# KiCad board xt_pcb.kicad_pcb
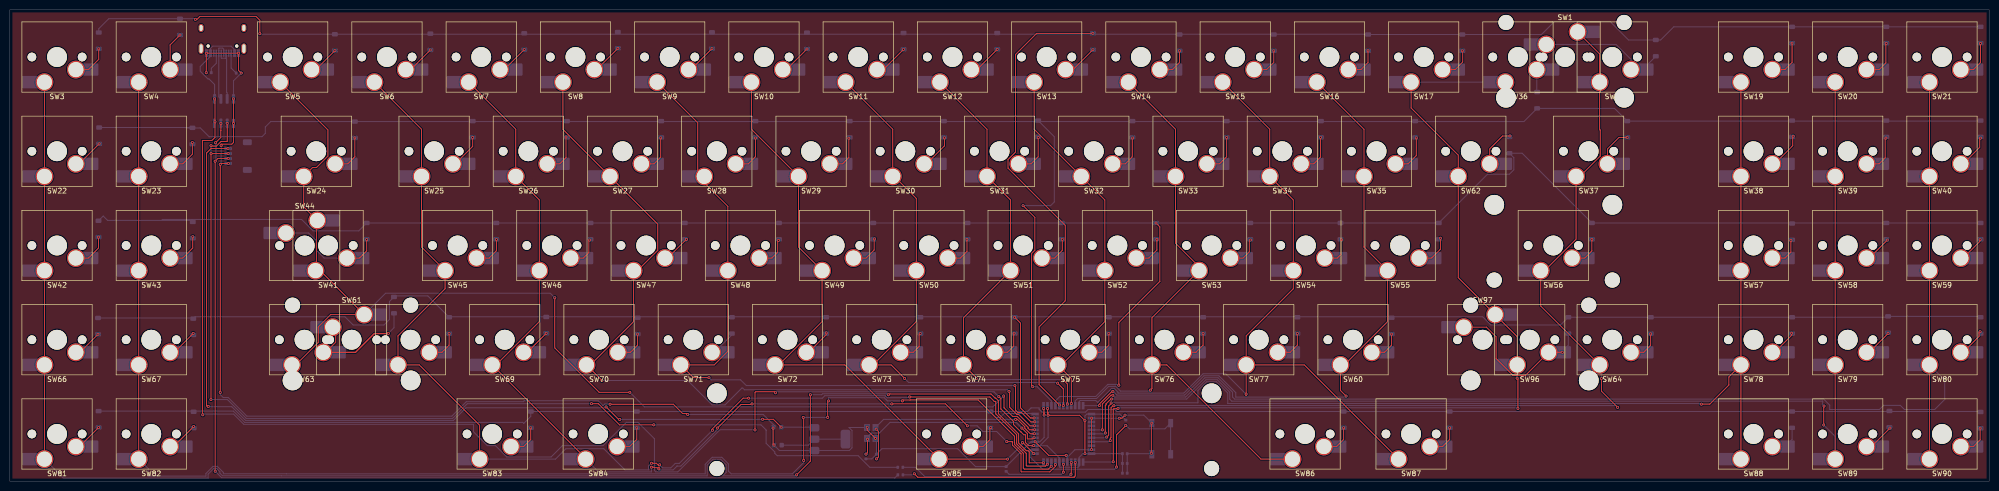
[diagram p0: board, top side]
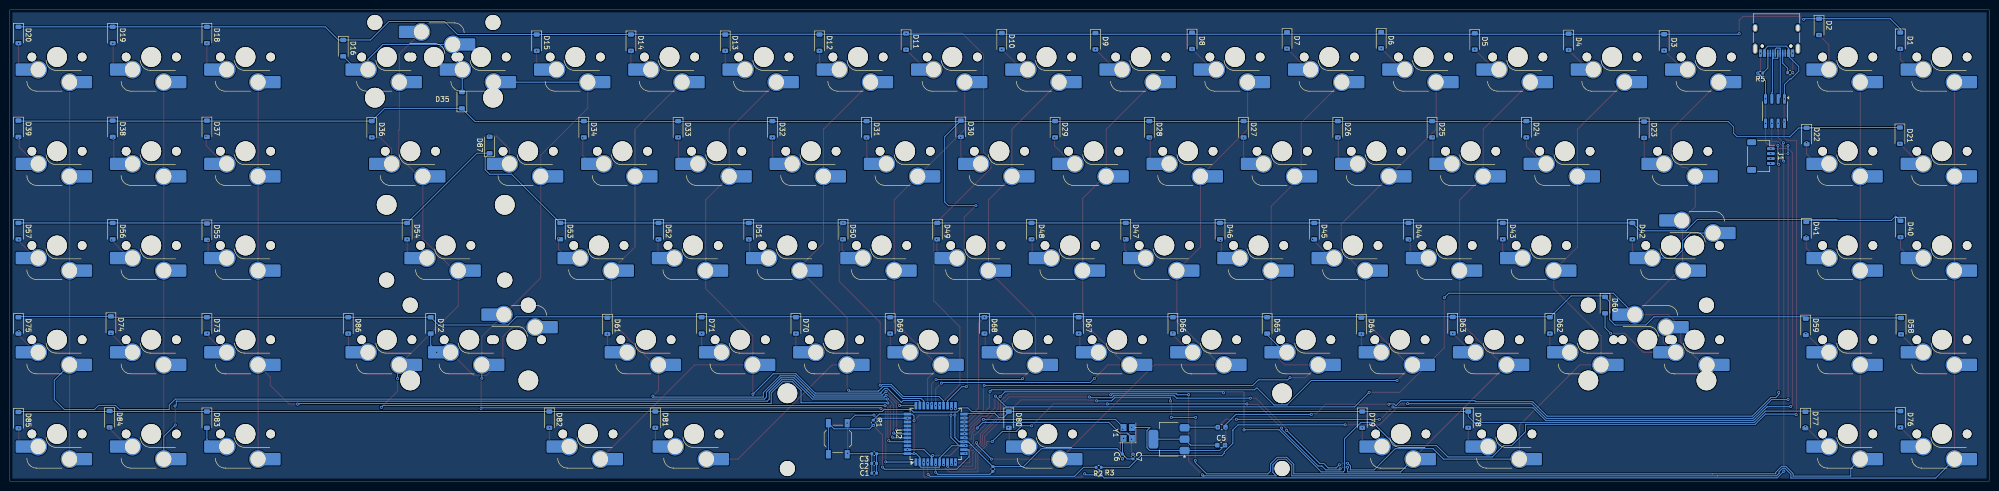
[diagram p1: board, bottom side, seen from below]

Outline 400.05 x 95.25 mm; copper layers: Top, Bottom. Coordinates in mm from the lower left corner of the outline.
Outline path: 0,95.25 400.05,95.25 400.05,0 0,0 0,95.25

## Placement (name value [footprint] x y rotation side)
BT1  SW_Push  [SW_SPST_TL3342]  232.71 8.57 270 bottom
C1  100n  [C_0402_1005Metric]  225.36 1.6 0 bottom
C2  100n  [C_0402_1005Metric]  225.36 3.57 0 bottom
C3  100n  [C_0402_1005Metric]  225.36 5.54 0 bottom
C4  10u  [C_0603_1608Metric]  155.12 10.9 180 bottom
C5  10u  [C_0603_1608Metric]  155.22 7.27 180 bottom
C6  12p  [C_0402_1005Metric]  175.16 4.97 90 bottom
C7  12p  [C_0402_1005Metric]  173.03 4.97 270 bottom
C8  1u  [C_0402_1005Metric]  201.37 2.45 90 bottom
D1  D  [D_SOD-123]  17.96 89.03 270 bottom
D2  D  [D_SOD-123]  34.38 91.82 270 bottom
D3  D  [D_SOD-123]  65.69 88.68 270 bottom
D4  D  [D_SOD-123]  84.98 88.8 270 bottom
D5  D  [D_SOD-123]  103.96 88.88 270 bottom
D6  D  [D_SOD-123]  122.88 89.12 270 bottom
D7  D  [D_SOD-123]  141.91 89.08 270 bottom
D8  D  [D_SOD-123]  161.11 89 270 bottom
D9  D  [D_SOD-123]  180.63 88.93 270 bottom
D10  D  [D_SOD-123]  199.56 88.93 270 bottom
D11  D  [D_SOD-123]  218.91 88.85 270 bottom
D12  D  [D_SOD-123]  236.42 88.62 270 bottom
D13  D  [D_SOD-123]  255.46 88.62 270 bottom
D14  D  [D_SOD-123]  274.51 88.62 270 bottom
D15  D  [D_SOD-123]  293.56 88.62 270 bottom
D16  D  [D_SOD-123]  332.68 87.52 270 bottom
D18  D  [D_SOD-123]  360.23 90.18 270 bottom
D19  D  [D_SOD-123]  379.27 90.18 270 bottom
D20  D  [D_SOD-123]  398.32 90.18 270 bottom
D21  D  [D_SOD-123]  18.03 69.83 270 bottom
D22  D  [D_SOD-123]  36.89 69.77 270 bottom
D23  D  [D_SOD-123]  69.73 71.03 270 bottom
D24  D  [D_SOD-123]  93.54 71.12 270 bottom
D25  D  [D_SOD-123]  112.59 71.12 270 bottom
D26  D  [D_SOD-123]  131.64 71.12 270 bottom
D27  D  [D_SOD-123]  150.69 71.12 270 bottom
D28  D  [D_SOD-123]  169.74 71.12 270 bottom
D29  D  [D_SOD-123]  188.79 71.12 270 bottom
D30  D  [D_SOD-123]  207.84 71.23 270 bottom
D31  D  [D_SOD-123]  226.89 71.12 270 bottom
D32  D  [D_SOD-123]  245.94 71.12 270 bottom
D33  D  [D_SOD-123]  264.99 71.12 270 bottom
D34  D  [D_SOD-123]  284.04 71.12 270 bottom
D35  D  [D_SOD-123]  308.69 77 90 bottom
D36  D  [D_SOD-123]  326.9 71.12 270 bottom
D37  D  [D_SOD-123]  360.23 71.23 270 bottom
D38  D  [D_SOD-123]  379.27 71.23 270 bottom
D39  D  [D_SOD-123]  398.32 71.23 270 bottom
D40  D  [D_SOD-123]  17.91 50.98 270 bottom
D41  D  [D_SOD-123]  36.96 50.74 270 bottom
D42  D  [D_SOD-123]  72.11 50.53 270 bottom
D43  D  [D_SOD-123]  98.3 50.53 270 bottom
D44  D  [D_SOD-123]  117.35 50.53 270 bottom
D45  D  [D_SOD-123]  136.4 50.53 270 bottom
D46  D  [D_SOD-123]  155.45 50.53 270 bottom
D47  D  [D_SOD-123]  174.5 50.53 270 bottom
D48  D  [D_SOD-123]  193.55 50.53 270 bottom
D49  D  [D_SOD-123]  212.6 50.53 270 bottom
D50  D  [D_SOD-123]  231.65 50.53 270 bottom
D51  D  [D_SOD-123]  250.7 50.53 270 bottom
D52  D  [D_SOD-123]  268.95 50.53 270 bottom
D53  D  [D_SOD-123]  288.8 50.53 270 bottom
D54  D  [D_SOD-123]  319.76 50.53 270 bottom
D55  D  [D_SOD-123]  360.23 50.43 270 bottom
D56  D  [D_SOD-123]  379.27 50.53 270 bottom
D57  D  [D_SOD-123]  398.32 50.53 270 bottom
D58  D  [D_SOD-123]  17.81 31.33 270 bottom
D59  D  [D_SOD-123]  37.06 31.19 270 bottom
D60  D  [D_SOD-123]  77.63 35.57 270 bottom
D61  D  [D_SOD-123]  279.28 31.38 270 bottom
D62  D  [D_SOD-123]  88.78 31.47 270 bottom
D63  D  [D_SOD-123]  108.41 31.53 270 bottom
D64  D  [D_SOD-123]  126.88 31.38 270 bottom
D65  D  [D_SOD-123]  145.93 31.47 270 bottom
D66  D  [D_SOD-123]  164.98 31.47 270 bottom
D67  D  [D_SOD-123]  184.03 31.47 270 bottom
D68  D  [D_SOD-123]  203.08 31.47 270 bottom
D69  D  [D_SOD-123]  222.13 31.47 270 bottom
D70  D  [D_SOD-123]  241.18 31.47 270 bottom
D71  D  [D_SOD-123]  260.23 31.47 270 bottom
D72  D  [D_SOD-123]  315 31.47 270 bottom
D73  D  [D_SOD-123]  360.23 31.47 270 bottom
D74  D  [D_SOD-123]  379.62 31.65 270 bottom
D75  D  [D_SOD-123]  398.32 31.47 270 bottom
D76  D  [D_SOD-123]  17.93 12.5 270 bottom
D77  D  [D_SOD-123]  37.14 12.37 270 bottom
D78  D  [D_SOD-123]  105.28 12.43 270 bottom
D79  D  [D_SOD-123]  126.71 12.43 270 bottom
D80  D  [D_SOD-123]  198.15 12.43 270 bottom
D81  D  [D_SOD-123]  269.58 12.43 270 bottom
D82  D  [D_SOD-123]  291.02 12.43 270 bottom
D83  D  [D_SOD-123]  360.23 12.43 270 bottom
D84  D  [D_SOD-123]  379.9 12.53 270 bottom
D85  D  [D_SOD-123]  398.32 12.33 270 bottom
D86  D  [D_SOD-123]  331.67 31.47 270 bottom
D87  D  [D_SOD-123]  303.09 67.93 90 bottom
J1  Conn_01x04_Socket  [JST_SH_SM04B-SRSS-TB_1x04-1MP_P1.00mm_Horizontal]  46.12 65.71 270 bottom
J2  USB_C_Receptacle_USB2.0_16P  [USB_C_Receptacle_HRO_TYPE-C-31-M-12]  42.97 90.55 0 bottom
R1  10k  [R_0402_1005Metric]  225.55 11.82 270 bottom
R2  22  [R_0402_1005Metric]  179.97 2.79 0 bottom
R3  22  [R_0402_1005Metric]  180 1.27 0 bottom
R4  5k1  [R_0402_1005Metric]  40.21 82.57 180 bottom
R5  5k1  [R_0402_1005Metric]  46.25 82.48 0 bottom
SW1  SW_Push  [SW_Hotswap_Kailh_MX_Plated_2.00u]  314.34 85.73 0 top
SW2  SW_Push  [SW_Hotswap_Kailh_MX_Plated_1.00u]  323.87 85.73 180 top
SW3  SW_Push  [SW_Hotswap_Kailh_MX_Plated_1.00u]  9.52 85.73 180 top
SW4  SW_Push  [SW_Hotswap_Kailh_MX_Plated_1.00u]  28.58 85.73 180 top
SW5  SW_Push  [SW_Hotswap_Kailh_MX_Plated_1.00u]  57.16 85.73 180 top
SW6  SW_Push  [SW_Hotswap_Kailh_MX_Plated_1.00u]  76.22 85.73 180 top
SW7  SW_Push  [SW_Hotswap_Kailh_MX_Plated_1.00u]  95.26 85.73 180 top
SW8  SW_Push  [SW_Hotswap_Kailh_MX_Plated_1.00u]  114.31 85.73 180 top
SW9  SW_Push  [SW_Hotswap_Kailh_MX_Plated_1.00u]  133.37 85.73 180 top
SW10  SW_Push  [SW_Hotswap_Kailh_MX_Plated_1.00u]  152.41 85.73 180 top
SW11  SW_Push  [SW_Hotswap_Kailh_MX_Plated_1.00u]  171.47 85.73 180 top
SW12  SW_Push  [SW_Hotswap_Kailh_MX_Plated_1.00u]  190.51 85.73 180 top
SW13  SW_Push  [SW_Hotswap_Kailh_MX_Plated_1.00u]  209.56 85.73 180 top
SW14  SW_Push  [SW_Hotswap_Kailh_MX_Plated_1.00u]  228.62 85.73 180 top
SW15  SW_Push  [SW_Hotswap_Kailh_MX_Plated_1.00u]  247.67 85.73 180 top
SW16  SW_Push  [SW_Hotswap_Kailh_MX_Plated_1.00u]  266.71 85.73 180 top
SW17  SW_Push  [SW_Hotswap_Kailh_MX_Plated_1.00u]  285.76 85.73 180 top
SW19  SW_Push  [SW_Hotswap_Kailh_MX_Plated_1.00u]  352.43 85.73 180 top
SW20  SW_Push  [SW_Hotswap_Kailh_MX_Plated_1.00u]  371.48 85.73 180 top
SW21  SW_Push  [SW_Hotswap_Kailh_MX_Plated_1.00u]  390.52 85.73 180 top
SW22  SW_Push  [SW_Hotswap_Kailh_MX_Plated_1.00u]  9.52 66.68 180 top
SW23  SW_Push  [SW_Hotswap_Kailh_MX_Plated_1.00u]  28.58 66.68 180 top
SW24  SW_Push  [SW_Hotswap_Kailh_MX_Plated_1.50u]  61.93 66.68 180 top
SW25  SW_Push  [SW_Hotswap_Kailh_MX_Plated_1.00u]  85.74 66.68 180 top
SW26  SW_Push  [SW_Hotswap_Kailh_MX_Plated_1.00u]  104.79 66.68 180 top
SW27  SW_Push  [SW_Hotswap_Kailh_MX_Plated_1.00u]  123.84 66.68 180 top
SW28  SW_Push  [SW_Hotswap_Kailh_MX_Plated_1.00u]  142.89 66.68 180 top
SW29  SW_Push  [SW_Hotswap_Kailh_MX_Plated_1.00u]  161.94 66.68 180 top
SW30  SW_Push  [SW_Hotswap_Kailh_MX_Plated_1.00u]  180.99 66.68 180 top
SW31  SW_Push  [SW_Hotswap_Kailh_MX_Plated_1.00u]  200.04 66.68 180 top
SW32  SW_Push  [SW_Hotswap_Kailh_MX_Plated_1.00u]  219.09 66.68 180 top
SW33  SW_Push  [SW_Hotswap_Kailh_MX_Plated_1.00u]  238.14 66.68 180 top
SW34  SW_Push  [SW_Hotswap_Kailh_MX_Plated_1.00u]  257.19 66.68 180 top
SW35  SW_Push  [SW_Hotswap_Kailh_MX_Plated_1.00u]  276.24 66.68 180 top
SW36  SW_Push  [SW_Hotswap_Kailh_MX_Plated_1.00u]  304.81 85.73 180 top
SW37  SW_Push  [SW_Hotswap_Kailh_MX_Plated_1.50u]  319.1 66.68 180 top
SW38  SW_Push  [SW_Hotswap_Kailh_MX_Plated_1.00u]  352.43 66.68 180 top
SW39  SW_Push  [SW_Hotswap_Kailh_MX_Plated_1.00u]  371.48 66.68 180 top
SW40  SW_Push  [SW_Hotswap_Kailh_MX_Plated_1.00u]  390.52 66.68 180 top
SW41  SW_Push  [SW_Hotswap_Kailh_MX_Plated_1.75u]  64.31 47.62 180 top
SW42  SW_Push  [SW_Hotswap_Kailh_MX_Plated_1.00u]  9.52 47.62 180 top
SW43  SW_Push  [SW_Hotswap_Kailh_MX_Plated_1.00u]  28.58 47.62 180 top
SW44  SW_Push  [SW_Hotswap_Kailh_MX_Plated_1.25u]  59.59 47.61 0 top
SW45  SW_Push  [SW_Hotswap_Kailh_MX_Plated_1.00u]  90.5 47.62 180 top
SW46  SW_Push  [SW_Hotswap_Kailh_MX_Plated_1.00u]  109.55 47.62 180 top
SW47  SW_Push  [SW_Hotswap_Kailh_MX_Plated_1.00u]  128.6 47.62 180 top
SW48  SW_Push  [SW_Hotswap_Kailh_MX_Plated_1.00u]  147.65 47.62 180 top
SW49  SW_Push  [SW_Hotswap_Kailh_MX_Plated_1.00u]  166.7 47.62 180 top
SW50  SW_Push  [SW_Hotswap_Kailh_MX_Plated_1.00u]  185.75 47.62 180 top
SW51  SW_Push  [SW_Hotswap_Kailh_MX_Plated_1.00u]  204.8 47.62 180 top
SW52  SW_Push  [SW_Hotswap_Kailh_MX_Plated_1.00u]  223.85 47.62 180 top
SW53  SW_Push  [SW_Hotswap_Kailh_MX_Plated_1.00u]  242.9 47.62 180 top
SW54  SW_Push  [SW_Hotswap_Kailh_MX_Plated_1.00u]  261.95 47.62 180 top
SW55  SW_Push  [SW_Hotswap_Kailh_MX_Plated_1.00u]  281 47.62 180 top
SW56  SW_Push  [SW_Hotswap_Kailh_MX_Plated_2.25u]  311.96 47.62 180 top
SW57  SW_Push  [SW_Hotswap_Kailh_MX_Plated_1.00u]  352.43 47.62 180 top
SW58  SW_Push  [SW_Hotswap_Kailh_MX_Plated_1.00u]  371.48 47.62 180 top
SW59  SW_Push  [SW_Hotswap_Kailh_MX_Plated_1.00u]  390.52 47.62 180 top
SW60  SW_Push  [SW_Hotswap_Kailh_MX_Plated_1.00u]  271.48 28.58 180 top
SW61  SW_Push  [SW_Hotswap_Kailh_MX_Plated_2.25u]  69.07 28.58 0 top
SW62  SW_Push  [SW_Hotswap_Kailh_MX_Plated_1.00u]  295.29 66.68 180 top
SW63  SW_Push  [SW_Hotswap_Kailh_MX_Plated_1.25u]  59.55 28.58 180 top
SW64  SW_Push  [SW_Hotswap_Kailh_MX_Plated_1.00u]  323.87 28.58 180 top
SW66  SW_Push  [SW_Hotswap_Kailh_MX_Plated_1.00u]  9.52 28.58 180 top
SW67  SW_Push  [SW_Hotswap_Kailh_MX_Plated_1.00u]  28.58 28.58 180 top
SW68  SW_Push  [SW_Hotswap_Kailh_MX_Plated_1.00u]  80.98 28.58 180 top
SW69  SW_Push  [SW_Hotswap_Kailh_MX_Plated_1.00u]  100.03 28.58 180 top
SW70  SW_Push  [SW_Hotswap_Kailh_MX_Plated_1.00u]  119.08 28.58 180 top
SW71  SW_Push  [SW_Hotswap_Kailh_MX_Plated_1.00u]  138.13 28.58 180 top
SW72  SW_Push  [SW_Hotswap_Kailh_MX_Plated_1.00u]  157.18 28.58 180 top
SW73  SW_Push  [SW_Hotswap_Kailh_MX_Plated_1.00u]  176.23 28.58 180 top
SW74  SW_Push  [SW_Hotswap_Kailh_MX_Plated_1.00u]  195.28 28.58 180 top
SW75  SW_Push  [SW_Hotswap_Kailh_MX_Plated_1.00u]  214.33 28.58 180 top
SW76  SW_Push  [SW_Hotswap_Kailh_MX_Plated_1.00u]  233.38 28.58 180 top
SW77  SW_Push  [SW_Hotswap_Kailh_MX_Plated_1.00u]  252.43 28.58 180 top
SW78  SW_Push  [SW_Hotswap_Kailh_MX_Plated_1.00u]  352.43 28.58 180 top
SW79  SW_Push  [SW_Hotswap_Kailh_MX_Plated_1.00u]  371.48 28.58 180 top
SW80  SW_Push  [SW_Hotswap_Kailh_MX_Plated_1.00u]  390.52 28.58 180 top
SW81  SW_Push  [SW_Hotswap_Kailh_MX_Plated_1.00u]  9.52 9.53 180 top
SW82  SW_Push  [SW_Hotswap_Kailh_MX_Plated_1.00u]  28.58 9.53 180 top
SW83  SW_Push  [SW_Hotswap_Kailh_MX_Plated_1.00u]  97.48 9.53 180 top
SW84  SW_Push  [SW_Hotswap_Kailh_MX_Plated_1.25u]  118.91 9.53 180 top
SW85  SW_Push  [SW_Hotswap_Kailh_MX_Plated_6.25u]  190.35 9.53 180 top
SW86  SW_Push  [SW_Hotswap_Kailh_MX_Plated_1.25u]  261.79 9.53 180 top
SW87  SW_Push  [SW_Hotswap_Kailh_MX_Plated_1.00u]  283.22 9.53 180 top
SW88  SW_Push  [SW_Hotswap_Kailh_MX_Plated_1.00u]  352.43 9.53 180 top
SW89  SW_Push  [SW_Hotswap_Kailh_MX_Plated_1.00u]  371.48 9.53 180 top
SW90  SW_Push  [SW_Hotswap_Kailh_MX_Plated_1.00u]  390.52 9.53 180 top
SW91  SW_Push  [Stabilizer_Cherry_MX_6.25u]  192.9 9.53 180 top
SW92  SW_Push  [Stabilizer_Cherry_MX_2.00u]  311.96 47.62 180 top
SW93  SW_Push  [Stabilizer_Cherry_MX_2.00u]  307.2 28.58 0 top
SW94  SW_Push  [Stabilizer_Cherry_MX_2.00u]  314.34 85.73 0 top
SW95  SW_Push  [Stabilizer_Cherry_MX_2.00u]  69.07 28.58 0 top
SW96  SW_Push  [SW_Hotswap_Kailh_MX_Plated_2.75u]  307.2 28.58 180 top
SW97  SW_Push  [SW_Hotswap_Kailh_MX_Plated_1.75u]  297.67 28.58 0 top
U1  AMS1117-3.3  [SOT-223-3_TabPin2]  165.76 8.48 0 bottom
U2  ATmega32U4-A  [TQFP-44_10x10mm_P0.8mm]  212.93 9.55 90 bottom
U3  USB6B1  [SOIC-8_3.9x4.9mm_P1.27mm]  43.28 74.79 270 bottom
Y1  Crystal_GND24_Small  [Crystal_SMD_3225-4Pin_3.2x2.5mm]  174.1 9.73 90 bottom

## Library data of the parts
BT1 SW1-SW17 SW19-SW64 SW66-SW97 = -: Description: Push button switch, generic, two pins
C1-C8 = -: Description: Unpolarized capacitor; ki_fp_filters: C_*
D1-D16 D18-D87 = -: Description: Diode; Sim.Pins: 1=K 2=A; ki_fp_filters: TO-???* *_Diode_* *SingleDiode* D_*
J1 = -: Description: Generic connector, single row, 01x04, script generated; ki_fp_filters: Connector*:*_1x??_*
J2 = -: Datasheet: https://www.usb.org/sites/default/files/documents/usb_type-c.zip; Description: USB 2.0-only 16P Type-C Receptacle connector; ki_fp_filters: USB*C*Receptacle*
R1-R5 = -: Description: Resistor; ki_fp_filters: R_*
U1 = -: Datasheet: http://www.advanced-monolithic.com/pdf/ds1117.pdf; Description: 1A Low Dropout regulator, positive, 3.3V fixed output, SOT-223; ki_fp_filters: SOT?223*TabPin2*
U2 = -: Datasheet: http://ww1.microchip.com/downloads/en/DeviceDoc/Atmel-7766-8-bit-AVR-ATmega16U4-32U4_Datasheet.pdf; Description: 16MHz, 32kB Flash, 2.5kB SRAM, 1kB EEPROM, USB 2.0, TQFP-44; ki_fp_filters: TQFP*10x10mm*P0.8mm*
U3 = -: Datasheet: http://www.st.com/content/ccc/resource/technical/document/datasheet/3e/ec/b2/54/b2/76/47/90/CD00001361.pdf/files/CD00001361.pdf/jcr:content/translations/en.CD00001361.pdf; Description: 5V Data line protection; ki_fp_filters: SOIC*3.9x4.9mm*P1.27mm*
Y1 = -: Description: Four pin crystal, GND on pins 2 and 4, small symbol; ki_fp_filters: Crystal*

## Footprints (pads in the part's own frame, mm; a bottom-side part is the same pattern mirrored in y, then rotated)
C_0402_1005Metric
  rrect 0.56x0.62 smd: 1(-0.48,0) 2(0.48,0)
C_0603_1608Metric
  rrect 0.9x0.95 smd: 1(-0.775,0) 2(0.775,0)
Crystal_SMD_3225-4Pin_3.2x2.5mm
  rect 1.4x1.2 smd: 1(-1.1,-0.85) 2(1.1,-0.85) 3(1.1,0.85) 4(-1.1,0.85)
D_SOD-123
  rrect 0.9x1.2 smd: 1(-1.65,0) 2(1.65,0)
JST_SH_SM04B-SRSS-TB_1x04-1MP_P1.00mm_Horizontal
  rrect 0.6x1.55 smd: 1(-1.5,2) 2(-0.5,2) 3(0.5,2) 4(1.5,2)
  rrect 1.2x1.8 smd: MP(-2.8,-1.875) MP(2.8,-1.875)
R_0402_1005Metric
  rrect 0.54x0.64 smd: 1(-0.51,0) 2(0.51,0)
SOIC-8_3.9x4.9mm_P1.27mm
  rrect 1.95x0.6 smd: 1(-2.475,1.905) 2(-2.475,0.635) 3(-2.475,-0.635) 4(-2.475,-1.905) 5(2.475,-1.905) 6(2.475,-0.635) 7(2.475,0.635) 8(2.475,1.905)
SOT-223-3_TabPin2
  rrect 2x1.5 smd: 1(-3.15,2.3) 2(-3.15,0) 3(-3.15,-2.3)
  rrect 2x3.8 smd: 2(3.15,0)
Stabilizer_Cherry_MX_2.00u
  round 3.048 hole 3.048 unplated: (-11.938,6.985) (11.938,6.985)
  round 3.988 hole 3.988 unplated: (-11.938,-8.225) (11.938,-8.225)
Stabilizer_Cherry_MX_6.25u
  round 3.048 hole 3.048 unplated: (-50,6.985) (50,6.985)
  round 3.988 hole 3.988 unplated: (-50,-8.225) (50,-8.225)
SW_Hotswap_Kailh_MX_Plated_1.00u
  rrect 2.55x2.5 smd: (-7.085,2.54) (5.842,5.08)
  round 1.75 hole 1.75 unplated: (-5.08,0) (5.08,0)
  round 4 hole 4 unplated: (0,0)
  rrect 3.55x2.5 smd far side: 1(-6.585,2.54) 2(5.32,5.08)
  round 3.6 hole 3.05: 1(-3.81,2.54) 2(2.54,5.08)
SW_Hotswap_Kailh_MX_Plated_1.25u
  rrect 2.55x2.5 smd: (-7.085,2.54) (5.842,5.08)
  round 1.75 hole 1.75 unplated: (-5.08,0) (5.08,0)
  round 4 hole 4 unplated: (0,0)
  rrect 3.55x2.5 smd far side: 1(-6.585,2.54) 2(5.32,5.08)
  round 3.6 hole 3.05: 1(-3.81,2.54) 2(2.54,5.08)
SW_Hotswap_Kailh_MX_Plated_1.50u
  rrect 2.55x2.5 smd: (-7.085,2.54) (5.842,5.08)
  round 1.75 hole 1.75 unplated: (-5.08,0) (5.08,0)
  round 4 hole 4 unplated: (0,0)
  rrect 3.55x2.5 smd far side: 1(-6.585,2.54) 2(5.32,5.08)
  round 3.6 hole 3.05: 1(-3.81,2.54) 2(2.54,5.08)
SW_Hotswap_Kailh_MX_Plated_1.75u
  rrect 2.55x2.5 smd: (-7.085,2.54) (5.842,5.08)
  round 1.75 hole 1.75 unplated: (-5.08,0) (5.08,0)
  round 4 hole 4 unplated: (0,0)
  rrect 3.55x2.5 smd far side: 1(-6.585,2.54) 2(5.32,5.08)
  round 3.6 hole 3.05: 1(-3.81,2.54) 2(2.54,5.08)
SW_Hotswap_Kailh_MX_Plated_2.00u
  rrect 2.55x2.5 smd: (-7.085,2.54) (5.842,5.08)
  round 1.75 hole 1.75 unplated: (-5.08,0) (5.08,0)
  round 4 hole 4 unplated: (0,0)
  rrect 3.55x2.5 smd far side: 1(-6.585,2.54) 2(5.32,5.08)
  round 3.6 hole 3.05: 1(-3.81,2.54) 2(2.54,5.08)
SW_Hotswap_Kailh_MX_Plated_2.25u
  rrect 2.55x2.5 smd: (-7.085,2.54) (5.842,5.08)
  round 1.75 hole 1.75 unplated: (-5.08,0) (5.08,0)
  round 4 hole 4 unplated: (0,0)
  rrect 3.55x2.5 smd far side: 1(-6.585,2.54) 2(5.32,5.08)
  round 3.6 hole 3.05: 1(-3.81,2.54) 2(2.54,5.08)
SW_Hotswap_Kailh_MX_Plated_2.75u
  rrect 2.55x2.5 smd: (-7.085,2.54) (5.842,5.08)
  round 1.75 hole 1.75 unplated: (-5.08,0) (5.08,0)
  round 4 hole 4 unplated: (0,0)
  rrect 3.55x2.5 smd far side: 1(-6.585,2.54) 2(5.32,5.08)
  round 3.6 hole 3.05: 1(-3.81,2.54) 2(2.54,5.08)
SW_Hotswap_Kailh_MX_Plated_6.25u
  rrect 2.55x2.5 smd: (-7.085,2.54) (5.842,5.08)
  round 1.75 hole 1.75 unplated: (-5.08,0) (5.08,0)
  round 4 hole 4 unplated: (0,0)
  rrect 3.55x2.5 smd far side: 1(-6.585,2.54) 2(5.32,5.08)
  round 3.6 hole 3.05: 1(-3.81,2.54) 2(2.54,5.08)
SW_SPST_TL3342
  rect 1.7x1 smd: 1(-3.15,1.9) 1(3.15,1.9) 2(-3.15,-1.9) 2(3.15,-1.9)
TQFP-44_10x10mm_P0.8mm
  rect 1.5x0.55 smd: 1(-5.7,4) 2(-5.7,3.2) 3(-5.7,2.4) 4(-5.7,1.6) 5(-5.7,0.8) 6(-5.7,0) 7(-5.7,-0.8) 8(-5.7,-1.6) 9(-5.7,-2.4) 10(-5.7,-3.2) 11(-5.7,-4) 23(5.7,-4) 24(5.7,-3.2) 25(5.7,-2.4) 26(5.7,-1.6) 27(5.7,-0.8) 28(5.7,0) 29(5.7,0.8) 30(5.7,1.6) 31(5.7,2.4) 32(5.7,3.2) 33(5.7,4)
  rect 0.55x1.5 smd: 12(-4,-5.7) 13(-3.2,-5.7) 14(-2.4,-5.7) 15(-1.6,-5.7) 16(-0.8,-5.7) 17(0,-5.7) 18(0.8,-5.7) 19(1.6,-5.7) 20(2.4,-5.7) 21(3.2,-5.7) 22(4,-5.7) 34(4,5.7) 35(3.2,5.7) 36(2.4,5.7) 37(1.6,5.7) 38(0.8,5.7) 39(0,5.7) 40(-0.8,5.7) 41(-1.6,5.7) 42(-2.4,5.7) 43(-3.2,5.7) 44(-4,5.7)
USB_C_Receptacle_HRO_TYPE-C-31-M-12
  round 0.65 hole 0.65 unplated: (-2.89,2.6) (2.89,2.6)
  rect 0.6x1.45 smd: A1(-3.25,4.045) A4(-2.45,4.045) A9(2.45,4.045) A12(3.25,4.045) B1(3.25,4.045) B4(2.45,4.045) B9(-2.45,4.045) B12(-3.25,4.045)
  rect 0.3x1.45 smd: A5(-1.25,4.045) A6(-0.25,4.045) A7(0.25,4.045) A8(1.25,4.045) B5(1.75,4.045) B6(0.75,4.045) B7(-0.75,4.045) B8(-1.75,4.045)
  oval 1x1.6 hole 0.6x1.2: S1(-4.32,-1.05) S1(4.32,-1.05)
  oval 1x2.1 hole 0.6x1.7: S1(-4.32,3.13) S1(4.32,3.13)

## Nets
+3.3V: C5.1 U1.2
+5V: C4.1 J1.1 U1.3
GND: BT1.1 C1.2 C2.2 C3.2 C4.2 C5.2 C6.2 C7.2 C8.2 J1.4 J2.A1 J2.A12 J2.B1 J2.B12 R4.2 R5.2 U1.1 U2.5 U2.15 U2.23 U2.35 U2.43 U3.4 U3.5 Y1.2 Y1.4
VBUS: C1.1 C2.1 C3.1 J2.A4 J2.A9 J2.B4 J2.B9 R1.1 U2.2 U2.7 U2.14 U2.24 U2.34 U2.44 U3.1 U3.8
C1: SW3.2 SW22.2 SW42.2 SW66.2 SW81.2 U2.11
C2: SW4.2 SW23.2 SW43.2 SW67.2 SW82.2 U2.9
C3: SW5.2 SW24.2 SW41.2 SW44.2 SW61.2 SW63.2 U2.18
C4: SW6.2 SW25.2 SW45.2 SW68.2 SW83.2 U2.10
C5: SW7.2 SW26.2 SW46.2 SW69.2 SW84.2 U2.8
C6: SW8.2 SW27.2 SW47.2 SW70.2 U2.19
C7: SW9.2 SW28.2 SW48.2 SW71.2 U2.20
C8: SW10.2 SW29.2 SW49.2 SW72.2 SW85.2 U2.12
C9: SW11.2 SW30.2 SW50.2 SW73.2 U2.28
C10: SW12.2 SW31.2 SW51.2 SW74.2 U2.29
C11: SW13.2 SW32.2 SW52.2 SW75.2 U2.30
C12: SW14.2 SW33.2 SW53.2 SW76.2 SW86.2 U2.31
C13: SW15.2 SW34.2 SW54.2 SW77.2 SW87.2 U2.32
C14: SW16.2 SW35.2 SW55.2 SW60.2 U2.33
C15: SW17.2 SW36.2 SW62.2 SW96.2 SW97.2 U2.1
C16: SW1.2 SW2.2 SW37.2 SW56.2 SW64.2 U2.41
C17: SW19.2 SW38.2 SW57.2 SW78.2 SW88.2 U2.40
C18: SW20.2 SW39.2 SW58.2 SW79.2 SW89.2 U2.39
C19: SW21.2 SW40.2 SW59.2 SW80.2 SW90.2 U2.38
D+: J1.2 R2.1 U3.6
D-: J1.3 R3.1 U3.7
R1: D1.1 D2.1 D3.1 D4.1 D5.1 D6.1 D7.1 D8.1 D9.1 D10.1 D11.1 D12.1 D13.1 D14.1 D15.1 D16.1 D18.1 D19.1 D20.1 U2.27
R2: D21.1 D22.1 D23.1 D24.1 D25.1 D26.1 D27.1 D28.1 D29.1 D30.1 D31.1 D32.1 D33.1 D34.1 D35.1 D36.1 D37.1 D38.1 D39.1 U2.25
R3: D40.1 D41.1 D42.1 D43.1 D44.1 D45.1 D46.1 D47.1 D48.1 D49.1 D50.1 D51.1 D52.1 D53.1 D54.1 D55.1 D56.1 D57.1 D87.1 U2.26
R4: D58.1 D59.1 D60.1 D61.1 D62.1 D63.1 D64.1 D65.1 D66.1 D67.1 D68.1 D69.1 D70.1 D71.1 D72.1 D73.1 D74.1 D75.1 D86.1 U2.21
R5: D76.1 D77.1 D78.1 D79.1 D80.1 D81.1 D82.1 D83.1 D84.1 D85.1 U2.22
Net-(D1-A): D1.2 SW3.1
Net-(D2-A): D2.2 SW4.1
Net-(D3-A): D3.2 SW5.1
Net-(D4-A): D4.2 SW6.1
Net-(D5-A): D5.2 SW7.1
Net-(D6-A): D6.2 SW8.1
Net-(D7-A): D7.2 SW9.1
Net-(D8-A): D8.2 SW10.1
Net-(D9-A): D9.2 SW11.1
Net-(D10-A): D10.2 SW12.1
Net-(D11-A): D11.2 SW13.1
Net-(D12-A): D12.2 SW14.1
Net-(D13-A): D13.2 SW15.1
Net-(D14-A): D14.2 SW16.1
Net-(D15-A): D15.2 SW17.1
Net-(D16-A): D16.2 SW1.1 SW2.1
Net-(D18-A): D18.2 SW19.1
Net-(D19-A): D19.2 SW20.1
Net-(D20-A): D20.2 SW21.1
Net-(D21-A): D21.2 SW22.1
Net-(D22-A): D22.2 SW23.1
Net-(D23-A): D23.2 SW24.1
Net-(D24-A): D24.2 SW25.1
Net-(D25-A): D25.2 SW26.1
Net-(D26-A): D26.2 SW27.1
Net-(D27-A): D27.2 SW28.1
Net-(D28-A): D28.2 SW29.1
Net-(D29-A): D29.2 SW30.1
Net-(D30-A): D30.2 SW31.1
Net-(D31-A): D31.2 SW32.1
Net-(D32-A): D32.2 SW33.1
Net-(D33-A): D33.2 SW34.1
Net-(D34-A): D34.2 SW35.1
Net-(D35-A): D35.2 SW36.1
Net-(D36-A): D36.2 SW37.1
Net-(D37-A): D37.2 SW38.1
Net-(D38-A): D38.2 SW39.1
Net-(D39-A): D39.2 SW40.1
Net-(D40-A): D40.2 SW42.1
Net-(D41-A): D41.2 SW43.1
Net-(D42-A): D42.2 SW41.1 SW44.1
Net-(D43-A): D43.2 SW45.1
Net-(D44-A): D44.2 SW46.1
Net-(D45-A): D45.2 SW47.1
Net-(D46-A): D46.2 SW48.1
Net-(D47-A): D47.2 SW49.1
Net-(D48-A): D48.2 SW50.1
Net-(D49-A): D49.2 SW51.1
Net-(D50-A): D50.2 SW52.1
Net-(D51-A): D51.2 SW53.1
Net-(D52-A): D52.2 SW54.1
Net-(D53-A): D53.2 SW55.1
Net-(D54-A): D54.2 SW56.1
Net-(D55-A): D55.2 SW57.1
Net-(D56-A): D56.2 SW58.1
Net-(D57-A): D57.2 SW59.1
Net-(D58-A): D58.2 SW66.1
Net-(D59-A): D59.2 SW67.1
Net-(D60-A): D60.2 SW61.1 SW63.1
Net-(D61-A): D61.2 SW60.1
Net-(D62-A): D62.2 SW68.1
Net-(D63-A): D63.2 SW69.1
Net-(D64-A): D64.2 SW70.1
Net-(D65-A): D65.2 SW71.1
Net-(D66-A): D66.2 SW72.1
Net-(D67-A): D67.2 SW73.1
Net-(D68-A): D68.2 SW74.1
Net-(D69-A): D69.2 SW75.1
Net-(D70-A): D70.2 SW76.1
Net-(D71-A): D71.2 SW77.1
Net-(D72-A): D72.2 SW96.1 SW97.1
Net-(D73-A): D73.2 SW78.1
Net-(D74-A): D74.2 SW79.1
Net-(D75-A): D75.2 SW80.1
Net-(D76-A): D76.2 SW81.1
Net-(D77-A): D77.2 SW82.1
Net-(D78-A): D78.2 SW83.1
Net-(D79-A): D79.2 SW84.1
Net-(D80-A): D80.2 SW85.1
Net-(D81-A): D81.2 SW86.1
Net-(D82-A): D82.2 SW87.1
Net-(D83-A): D83.2 SW88.1
Net-(D84-A): D84.2 SW89.1
Net-(D85-A): D85.2 SW90.1
Net-(D86-A): D86.2 SW64.1
Net-(D87-A): D87.2 SW62.1
Net-(J2-CC1): J2.A5 R4.1
Net-(J2-CC2): J2.B5 R5.1
Net-(J2-D+-PadA6): J2.A6 J2.B6 U3.3
Net-(J2-D--PadA7): J2.A7 J2.B7 U3.2
Net-(U2-D+): R2.2 U2.4
Net-(U2-D-): R3.2 U2.3
Net-(U2-UCAP): C8.1 U2.6
Net-(U2-XTAL1): C6.1 U2.17 Y1.3
Net-(U2-XTAL2): C7.1 U2.16 Y1.1
Net-(U2-~{RESET}): BT1.2 R1.2 U2.13

Pads without a net: J1 MP; J2 A8 B8 S1; U2 36 37 42

## Via types
v1: diameter 0.6, hole 0.3, Top to Bottom, 229 vias
